# Altium PCB MatrixRE2.PcbDoc (part 1 of 3)
Units mm, origin at the board's own origin, x right, y up, seen from the top; angles counter-clockwise.
Board outline 200.1 x 201 mm, 2 copper layers (Top Layer, Bottom Layer), stack 1.55 mm thick; 298 components, 226 nets, 883 pads, 431 vias.
Unrouted connection lines stored in the file: 2.
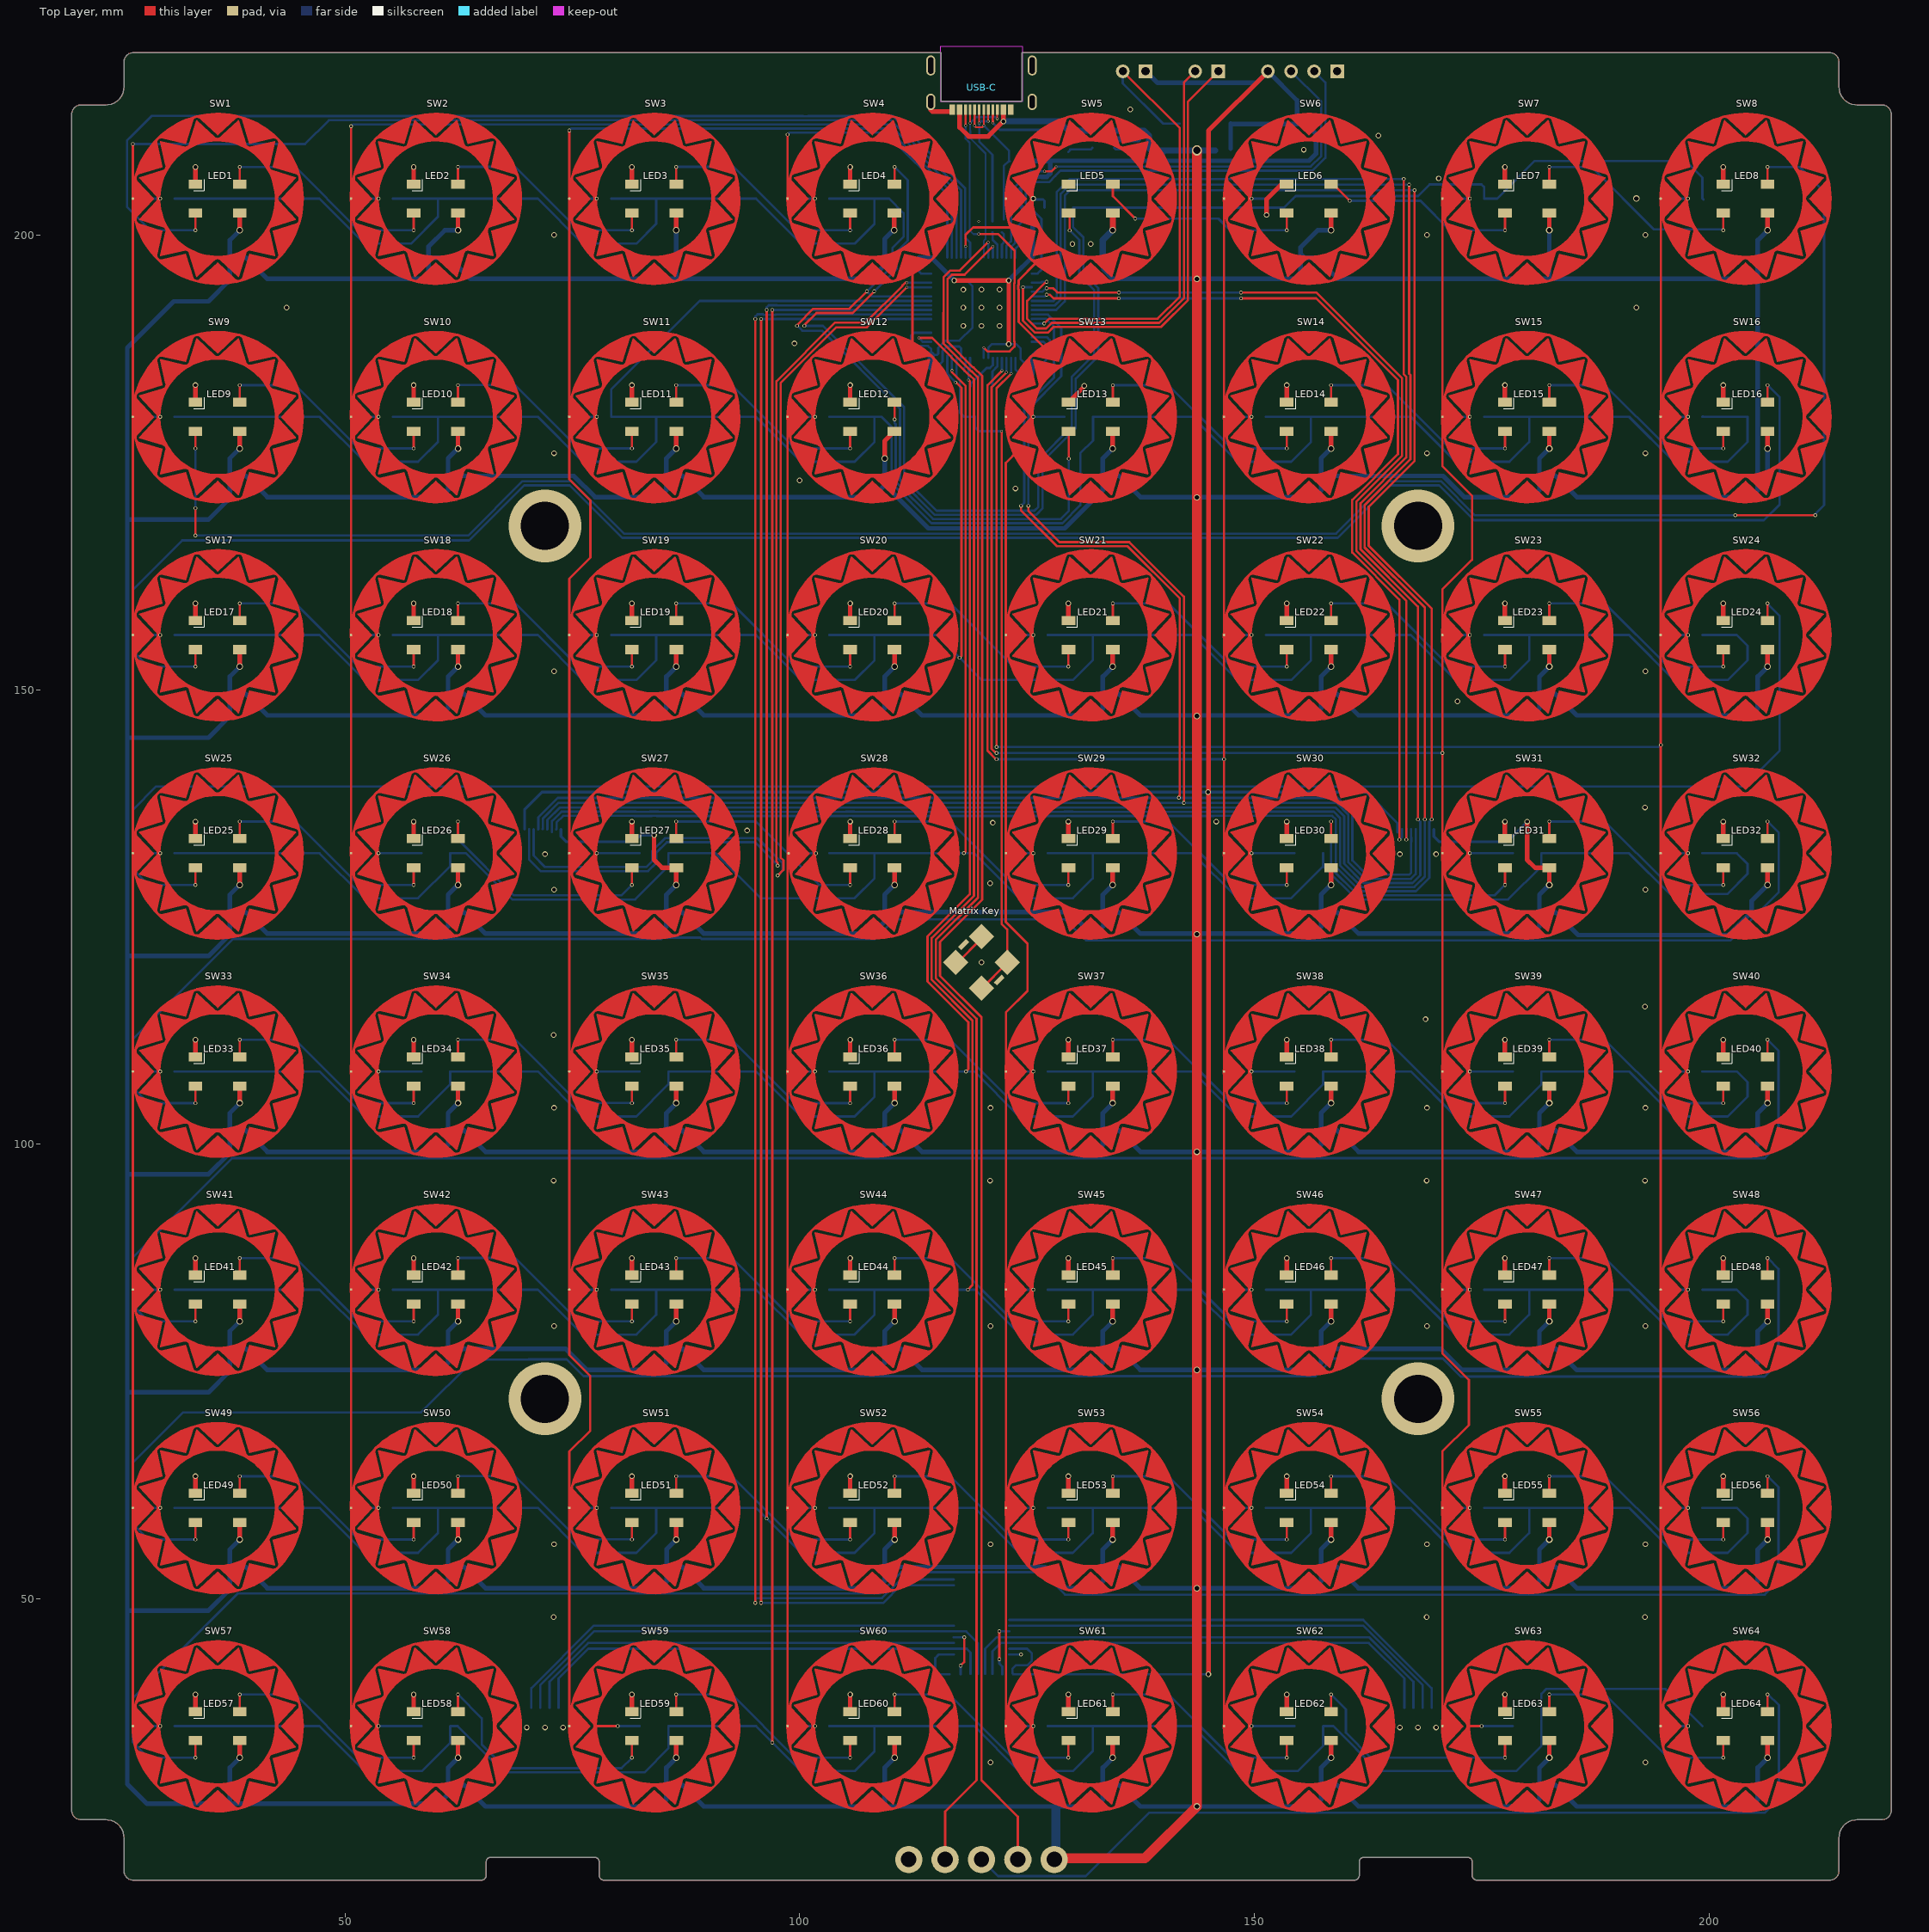
[diagram p0: Top Layer view]
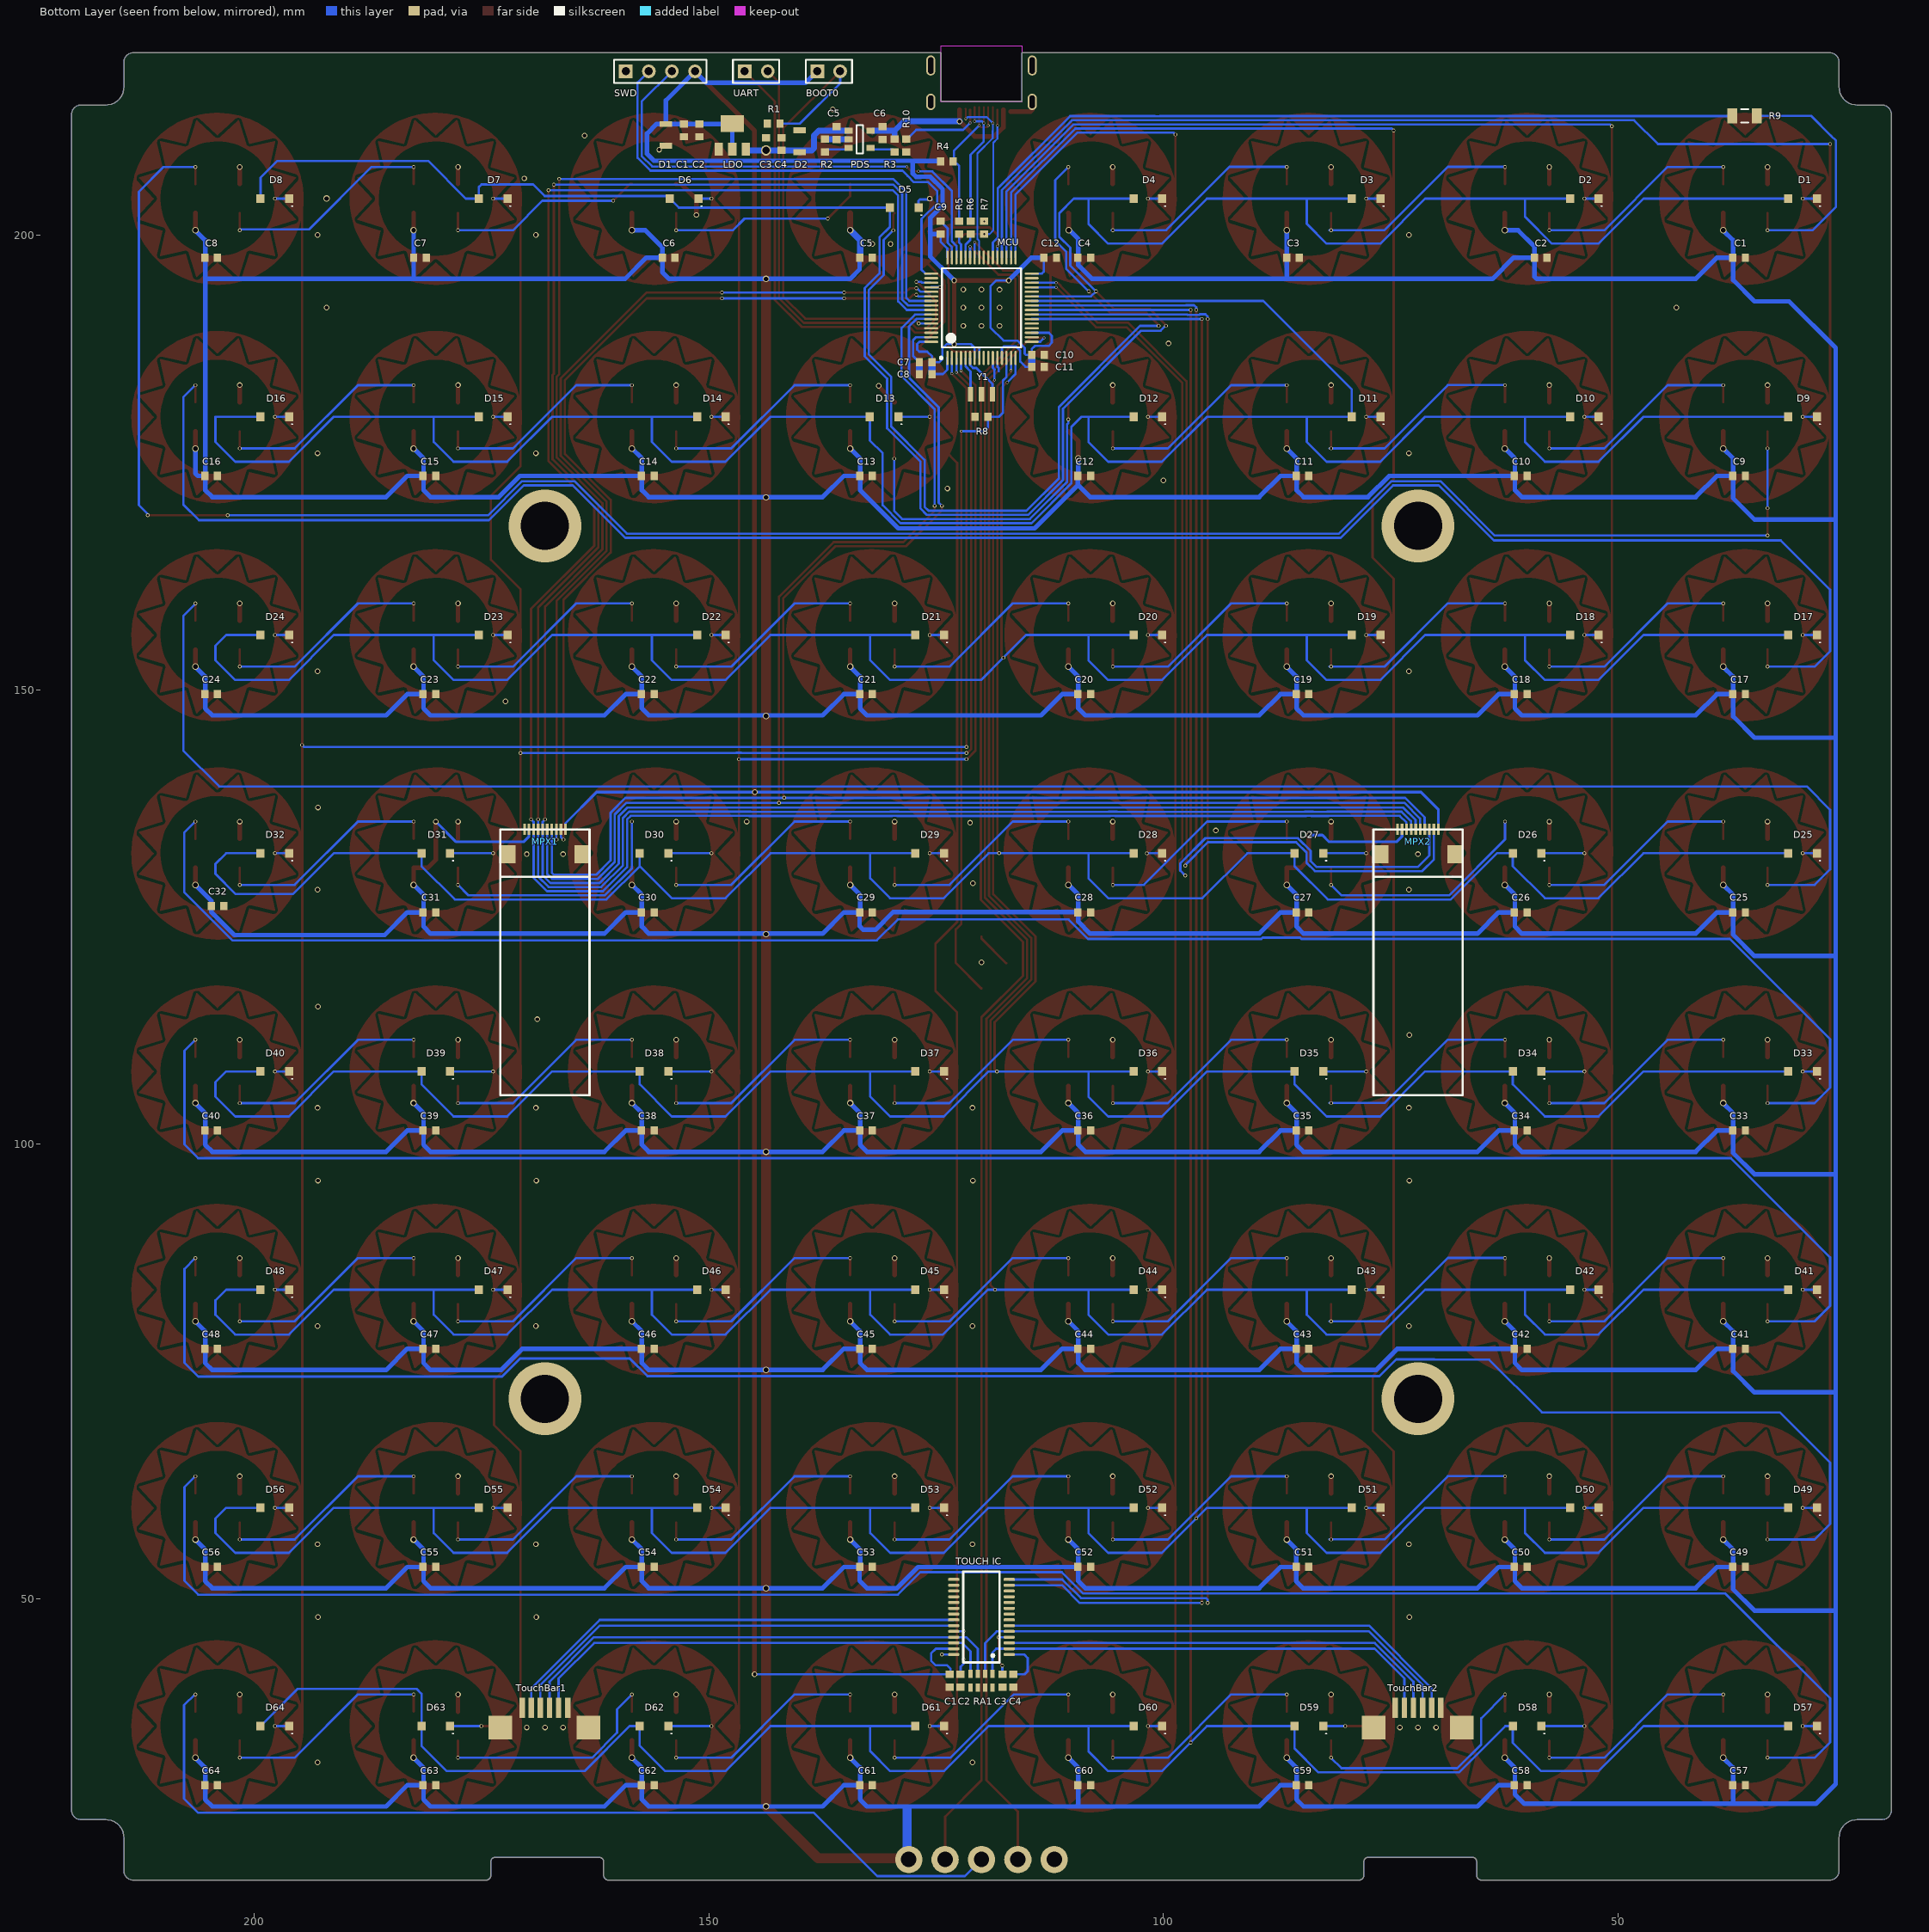
[diagram p1: Bottom Layer view, seen from below]

## Layer stack, top to bottom
Top Solder: solder mask 0.04, Solder Resist, Dk 3.5
Top Layer: signal copper 0.01
Dielectric 1: dielectric 1.5, FR-4, Dk 4.8
Bottom Layer: signal copper 0.04
Bottom Solder: solder mask 0.01, Solder Resist, Dk 3.5

## Board outline
24.316,25.615 24.669,25.469 24.987,25.257 25.257,24.987 25.469,24.669 25.615,24.316 25.69,23.94 25.7,23.749 25.7,20.002 ccw(c25.75,20.002) 25.701,19.992 25.739,19.798 ccw(c25.788,19.808) 25.742,19.789 25.817,19.607 ccw(c25.864,19.626) 25.822,19.598 cw(c25.864,19.626) 25.822,19.598 25.931,19.435 ccw(c25.973,19.463) 25.931,19.434 25.931,19.435 ccw(c25.973,19.463) 25.938,19.427 26.077,19.288 ccw(c26.113,19.323) 26.085,19.281 26.248,19.172 cw(c26.276,19.214) 26.248,19.172 ccw(c26.276,19.214) 26.257,19.167 26.439,19.092 ccw(c26.458,19.138) 26.448,19.089 26.642,19.051 ccw(c26.652,19.1) 26.652,19.05 26.75,19.05 65,19.05 ccw(c65,19.6) 65.55,19.6 65.55,21.1 cw(c66,21.1) 66,21.55 77.5,21.55 cw(c77.5,21.1) 77.95,21.1 77.95,19.6 ccw(c78.5,19.6) 78.5,19.05 ccw(c78.5,19.1) 78.501,19.05 161,19.05 ccw(c161,19.6) 161.55,19.6 161.55,21.1 cw(c162,21.1) 162,21.55 173.5,21.55 cw(c173.5,21.1) 173.95,21.1 173.95,19.6 ccw(c174.5,19.6) 174.5,19.05 213.348,19.05 ccw(c213.348,19.1) 213.358,19.051 213.552,19.089 ccw(c213.542,19.138) 213.561,19.092 213.743,19.167 ccw(c213.724,19.214) 213.752,19.172 213.915,19.281 ccw(c213.887,19.323) 213.916,19.281 213.915,19.281 ccw(c213.887,19.323) 213.923,19.288 214.062,19.427 ccw(c214.027,19.463) 214.069,19.435 214.178,19.598 ccw(c214.136,19.626) 214.178,19.598 ccw(c214.136,19.626) 214.183,19.607 214.258,19.789 ccw(c214.212,19.808) 214.261,19.798 214.299,19.992 ccw(c214.25,20.002) 214.3,20.002 214.3,23.749 214.31,23.94 214.385,24.316 214.531,24.669 214.743,24.987 215.013,25.257 215.331,25.469 215.684,25.615 216.06,25.69 216.251,25.7 219,25.7 219.098,25.7 ccw(c219.098,25.75) 219.108,25.701 219.302,25.739 ccw(c219.292,25.788) 219.311,25.742 219.493,25.817 ccw(c219.474,25.864) 219.502,25.822 219.665,25.931 ccw(c219.637,25.973) 219.666,25.931 219.665,25.931 ccw(c219.637,25.973) 219.673,25.938 219.812,26.077 ccw(c219.777,26.113) 219.819,26.085 219.928,26.248 ccw(c219.886,26.276) 219.928,26.248 ccw(c219.886,26.276) 219.933,26.257 220.008,26.439 ccw(c219.962,26.458) 220.011,26.448 220.049,26.642 ccw(c220,26.652) 220.05,26.652 220.05,213.348 ccw(c220,213.348) 220.049,213.358 220.011,213.552 ccw(c219.962,213.542) 220.008,213.561 219.933,213.743 ccw(c219.886,213.724) 219.928,213.752 cw(c219.886,213.724) 219.928,213.752 219.819,213.915 219.819,213.916 cw(c219.777,213.887) 219.819,213.915 ccw(c219.777,213.887) 219.812,213.923 219.673,214.062 ccw(c219.637,214.027) 219.665,214.069 219.502,214.178 cw(c219.474,214.136) 219.502,214.178 ccw(c219.474,214.136) 219.493,214.183 219.311,214.258 ccw(c219.292,214.212) 219.302,214.261 219.108,214.299 ccw(c219.098,214.25) 219.098,214.3 216.251,214.3 216.06,214.31 215.684,214.385 215.331,214.531 215.013,214.743 214.743,215.013 214.531,215.331 214.385,215.684 214.31,216.06 214.3,216.251 214.3,219.098 ccw(c214.25,219.098) 214.299,219.108 214.261,219.302 ccw(c214.212,219.292) 214.258,219.311 214.183,219.493 ccw(c214.136,219.474) 214.178,219.502 cw(c214.136,219.474) 214.178,219.502 214.069,219.665 ccw(c214.027,219.637) 214.069,219.666 214.069,219.665 ccw(c214.027,219.637) 214.062,219.673 213.923,219.812 ccw(c213.887,219.777) 213.915,219.819 213.916,219.819 213.915,219.819 213.752,219.928 cw(c213.724,219.886) 213.752,219.928 ccw(c213.724,219.886) 213.743,219.933 213.561,220.008 ccw(c213.542,219.962) 213.552,220.011 213.358,220.049 ccw(c213.348,220) 213.348,220.05 124.5,220.05 ccw(c124.5,220) 124.45,220 124.45,214.7 115.55,214.7 115.55,220 ccw(c115.5,220) 115.5,220.05 26.652,220.05 ccw(c26.652,220) 26.642,220.049 26.448,220.011 ccw(c26.458,219.962) 26.439,220.008 26.257,219.933 ccw(c26.276,219.886) 26.248,219.928 cw(c26.276,219.886) 26.248,219.928 26.085,219.819 ccw(c26.113,219.777) 26.084,219.819 26.085,219.819 ccw(c26.113,219.777) 26.077,219.812 25.938,219.673 ccw(c25.973,219.637) 25.931,219.665 25.931,219.666 25.931,219.665 cw(c25.973,219.637) 25.931,219.666 25.931,219.665 25.822,219.502 ccw(c25.864,219.474) 25.822,219.502 ccw(c25.864,219.474) 25.817,219.493 25.742,219.311 ccw(c25.788,219.292) 25.739,219.302 25.701,219.108 ccw(c25.75,219.098) 25.7,219.098 25.7,216.251 25.69,216.06 25.615,215.684 25.469,215.331 25.257,215.013 24.987,214.743 24.669,214.531 24.316,214.385 23.94,214.31 23.749,214.3 20.902,214.3 ccw(c20.902,214.25) 20.892,214.299 20.698,214.261 ccw(c20.708,214.212) 20.689,214.258 20.507,214.183 ccw(c20.526,214.136) 20.498,214.178 cw(c20.526,214.136) 20.498,214.178 20.335,214.069 20.334,214.069 cw(c20.363,214.027) 20.335,214.069 ccw(c20.363,214.027) 20.327,214.062 20.188,213.923 ccw(c20.223,213.887) 20.181,213.915 20.181,213.916 20.181,213.915 cw(c20.223,213.887) 20.181,213.916 20.181,213.915 20.072,213.752 cw(c20.114,213.724) 20.072,213.752 ccw(c20.114,213.724) 20.067,213.743 19.992,213.561 ccw(c20.038,213.542) 19.989,213.552 19.951,213.358 ccw(c20,213.348) 19.95,213.348 19.95,213.25 19.95,26.652 ccw(c20,26.652) 19.951,26.642 19.989,26.448 ccw(c20.038,26.458) 19.992,26.439 20.067,26.257 ccw(c20.114,26.276) 20.072,26.248 20.181,26.085 ccw(c20.223,26.113) 20.181,26.084 20.181,26.085 ccw(c20.223,26.113) 20.188,26.077 20.327,25.938 ccw(c20.363,25.973) 20.335,25.931 20.498,25.822 cw(c20.526,25.864) 20.498,25.822 ccw(c20.526,25.864) 20.507,25.817 20.689,25.742 ccw(c20.708,25.788) 20.698,25.739 20.892,25.701 ccw(c20.902,25.75) 20.902,25.7 23.749,25.7 23.94,25.69

## Design rules (kind name [scope] priority, off if disabled: settings)
Clearance [All] p1: gap=0.2 ignorepadtopadclearanceinfootprint=FALSE except(0: Arc-Hole Track-Hole SMDPad-Hole THPad-Hole Via-Hole Fill-Text Fill-Hole Poly-Text Poly-Hole Region-Text Region-Hole Text-Text Text-Hole)
ComponentClearance [All] p1 off: gap=0.254 collisioncheckmode=3 verticalgap=0.254 showdistances=FALSE
HoleSize [All] p1 off: absolutevalues=TRUE maxlimit=2.54 minlimit=0.025 maxpercent=80.000 minpercent=20.000
PolygonConnect [All] p1: connectstyle=Relief reliefconductorwidth=0.254 reliefentries=4 polygonreliefangle="90 Angle" airgapwidth=0.254
RoutingVias [All] p1: holewidth=0.711 width=1.27 viastyle="Through Hole" minholewidth=0.711 minwidth=1.27 maxholewidth=0.711 maxwidth=1.27
ShortCircuit ShortCircuit_1 [All] p1: allowed=FALSE
ShortCircuit [InPadClass('All Pads') vs InNet('No Net')] p2: allowed=TRUE
SolderMaskExpansion [All] p1: expansion=0.102
Width [All] p1: maxlimit=2.54 minlimit=0.025 preferedwidth=0.254
27 further rules are at their usual default settings.

## Classes and differential pairs
component class matrixkeypad: D1 D2 D4 D5 D6 D7 D8 D9 D10 D11 D12 D13 D14 D15 D16 D17 D18 D19 D20 D21 D22 D23 D24 D25 D26 D27 D28 D29 D30 D31 D32 D33 D34 D35 D36 D37 D38 D39 D40 D41 D42 D43 D44 D45 D46 D47 D48 D49 D50 D51 D52 D53 D54 D55 D56 D57 D58 D60 D61 D62 D64 R5 SW1 SW2 SW3 SW4 SW5 SW6 SW7 SW8 SW9 SW10 SW11 SW12 SW13 SW14 SW15 SW16 SW17 SW18 SW19 SW20 SW21 SW22 SW23 SW24 SW25 SW26 SW27 SW28 SW29 SW30 SW31 SW32 SW33 SW34 SW35 SW36 SW37 SW38 SW39 SW40 SW41 SW42 SW43 SW44 SW45 SW46 SW47 SW48 SW49 SW50 SW51 SW52 SW53 SW54 SW55 SW56 SW57 SW58 SW59 SW60 SW61 SW62 SW63 SW64
component class led: C1 c2 C2 C3 C4 C5 C6 C6_1 C7 C8 C9 C11 C12 C13 C14 C15 C16 C17 C18 C19 C20 C21 C22 C23 C24 C26 C27 C28 C29 C30 C31 C33 C35 C36 C37 C38 C39 C40 C42 C43 C44 C45 C46 C48 C49 C50 C51 C52 C53 C54 C55 C58 C59 C60 C61 C63 C64 LED1 LED2 LED3 LED4 LED5 LED6 LED7 LED8 LED9 LED10 LED11 LED12 LED13 LED14 LED15 LED16 LED17 LED18 LED19 LED20 LED21 LED22 LED23 LED24 LED25 LED26 LED27 LED28 LED29 LED30 LED31 LED32 LED33 LED34 LED35 LED36 LED37 LED38 LED39 LED40 LED41 LED42 LED43 LED44 LED45 LED46 LED47 LED48 LED49 LED50 LED51 LED52 LED53 LED54 LED55 LED56 LED57 LED58 LED59 LED60 LED61 LED62 LED63 LED64
component class MCU: C1 c2 C2 C3 C6 C7 C58 D1 "FN Switch" RET6 SWD

## Components (designator, comment, footprint, x,y, rotation, side; value= is the part's Value field where it differs from the comment)
C1 "Cap Semi" 1608[0603] 123.5,41 r90 bottom value=0.1uf (schematic designator C10)
C1 "System" 1608[0603] 152.7,211.506 r90 bottom value=10uf (schematic designator C9)
C1 "Cap Semi" 1608[0603] 36.7,197.5 r0 bottom value=0.1uf
C2 "50PF NR0" 1608[0603] 122.3,41 r90 bottom value=0.1uf (schematic designator C11)
C2 "System" 1608[0603] 151,211.506 r90 bottom value=0.1uf (schematic designator C8)
C2 "Cap Semi" 1608[0603] 58.5,197.5 r0 bottom value=0.1uf
C3 "50PF NR0" 1608[0603] 117.7,41 r90 bottom value=0.1uf (schematic designator C12)
C3 "System" 1608[0603] 143.7,210 r270 bottom value=0.1uf (schematic designator C7)
C3 "Cap Semi" 1608[0603] 85.738,197.5 r0 bottom value=0.1uf
C4 "50PF NR0" 1608[0603] 116.5,41 r90 bottom value=0.1uf (schematic designator C13)
C4 "System" 1608[0603] 142,210 r270 bottom value=10uf (schematic designator C6)
C4 "Cap Semi" 1608[0603] 108.7,197.5 r0 bottom value=0.1uf
C5 "System" 1608[0603] 135.92,211.2 r270 bottom value=10uf (schematic designator C15)
C5 "Cap Semi" 1608[0603] 132.7,197.5 r0 bottom value=0.1uf
C6 "System" 1608[0603] 130.86,211.2 r270 bottom value=10uf (schematic designator C14)
C6 "Cap Semi" 1608[0603] 154.4,197.5 r0 bottom value=0.1uf
C7 "System" 1608[0603] 126.13,186 r180 bottom value=0.1uf (schematic designator C1)
C7 "Cap Semi" 1608[0603] 181.738,197.5 r0 bottom value=0.1uf
C8 "System" 1608[0603] 126.13,184.7 r180 bottom value=0.1uf (schematic designator C2)
C8 "Cap Semi" 1608[0603] 204.7,197.5 r0 bottom value=0.1uf
C9 "System" 1608[0603] 124.5,200.8 r270 bottom value=0.1uf (schematic designator C3)
C9 "Cap Semi" 1608[0603] 36.7,173.5 r0 bottom value=0.1uf (schematic designator C16)
C10 "System" 1608[0603] 113.775,186.8 r0 bottom value=0.1uf (schematic designator C4)
C10 "Cap Semi" 1608[0603] 60.7,173.5 r0 bottom value=0.1uf (schematic designator C15)
C11 "System" 1608[0603] 113.775,185.5 r0 bottom value=0.1uf (schematic designator C5)
C11 "Cap Semi" 1608[0603] 84.7,173.5 r0 bottom value=0.1uf (schematic designator C14)
C12 "System" 1608[0603] 112.45,197.5 r0 bottom value=0.1uf (schematic designator C16)
C12 "Cap Semi" 1608[0603] 108.7,173.5 r0 bottom value=0.1uf (schematic designator C13)
C13 "Cap Semi" 1608[0603] 132.7,173.5 r0 bottom value=0.1uf (schematic designator C12)
C14 "Cap Semi" 1608[0603] 156.7,173.5 r0 bottom value=0.1uf (schematic designator C11)
C15 "Cap Semi" 1608[0603] 180.7,173.5 r0 bottom value=0.1uf (schematic designator C10)
C16 "Cap Semi" 1608[0603] 204.7,173.5 r0 bottom value=0.1uf (schematic designator C9)
C17 "Cap Semi" 1608[0603] 36.7,149.5 r0 bottom value=0.1uf (schematic designator C24)
C18 "Cap Semi" 1608[0603] 60.7,149.5 r0 bottom value=0.1uf (schematic designator C23)
C19 "Cap Semi" 1608[0603] 84.7,149.5 r0 bottom value=0.1uf (schematic designator C22)
C20 "Cap Semi" 1608[0603] 108.7,149.5 r0 bottom value=0.1uf (schematic designator C21)
C21 "Cap Semi" 1608[0603] 132.7,149.5 r0 bottom value=0.1uf (schematic designator C20)
C22 "Cap Semi" 1608[0603] 156.7,149.5 r0 bottom value=0.1uf (schematic designator C19)
C23 "Cap Semi" 1608[0603] 180.7,149.5 r0 bottom value=0.1uf (schematic designator C18)
C24 "Cap Semi" 1608[0603] 204.7,149.5 r0 bottom value=0.1uf (schematic designator C17)
C25 "Cap Semi" 1608[0603] 36.7,125.5 r0 bottom value=0.1uf (schematic designator C32)
C26 "Cap Semi" 1608[0603] 60.7,125.5 r0 bottom value=0.1uf (schematic designator C31)
C27 "Cap Semi" 1608[0603] 84.7,125.5 r0 bottom value=0.1uf (schematic designator C30)
C28 "Cap Semi" 1608[0603] 108.7,125.5 r0 bottom value=0.1uf (schematic designator C29)
C29 "Cap Semi" 1608[0603] 132.7,125.5 r0 bottom value=0.1uf (schematic designator C28)
C30 "Cap Semi" 1608[0603] 156.7,125.5 r0 bottom value=0.1uf (schematic designator C27)
C31 "Cap Semi" 1608[0603] 180.7,125.5 r0 bottom value=0.1uf (schematic designator C26)
C32 "Cap Semi" 1608[0603] 204,126.2 r0 bottom value=0.1uf (schematic designator C25)
C33 "Cap Semi" 1608[0603] 36.7,101.5 r0 bottom value=0.1uf (schematic designator C40)
C34 "Cap Semi" 1608[0603] 60.7,101.5 r0 bottom value=0.1uf (schematic designator C39)
C35 "Cap Semi" 1608[0603] 84.7,101.5 r0 bottom value=0.1uf (schematic designator C38)
C36 "Cap Semi" 1608[0603] 108.7,101.5 r0 bottom value=0.1uf (schematic designator C37)
C37 "Cap Semi" 1608[0603] 132.7,101.5 r0 bottom value=0.1uf (schematic designator C36)
C38 "Cap Semi" 1608[0603] 156.7,101.5 r0 bottom value=0.1uf (schematic designator C35)
C39 "Cap Semi" 1608[0603] 180.7,101.5 r0 bottom value=0.1uf (schematic designator C34)
C40 "Cap Semi" 1608[0603] 204.7,101.5 r0 bottom value=0.1uf (schematic designator C33)
C41 "Cap Semi" 1608[0603] 36.7,77.5 r0 bottom value=0.1uf (schematic designator C48)
C42 "Cap Semi" 1608[0603] 60.7,77.5 r0 bottom value=0.1uf (schematic designator C47)
C43 "Cap Semi" 1608[0603] 84.7,77.5 r0 bottom value=0.1uf (schematic designator C46)
C44 "Cap Semi" 1608[0603] 108.7,77.5 r0 bottom value=0.1uf (schematic designator C45)
C45 "Cap Semi" 1608[0603] 132.7,77.5 r0 bottom value=0.1uf (schematic designator C44)
C46 "Cap Semi" 1608[0603] 156.7,77.5 r0 bottom value=0.1uf (schematic designator C43)
C47 "Cap Semi" 1608[0603] 180.7,77.5 r0 bottom value=0.1uf (schematic designator C42)
C48 "Cap Semi" 1608[0603] 204.7,77.5 r0 bottom value=0.1uf (schematic designator C41)
C49 "Cap Semi" 1608[0603] 36.7,53.5 r0 bottom value=0.1uf (schematic designator C56)
C50 "Cap Semi" 1608[0603] 60.7,53.5 r0 bottom value=0.1uf (schematic designator C55)
C51 "Cap Semi" 1608[0603] 84.7,53.5 r0 bottom value=0.1uf (schematic designator C54)
C52 "Cap Semi" 1608[0603] 108.7,53.5 r0 bottom value=0.1uf (schematic designator C53)
C53 "Cap Semi" 1608[0603] 132.7,53.5 r0 bottom value=0.1uf (schematic designator C52)
C54 "Cap Semi" 1608[0603] 156.7,53.5 r0 bottom value=0.1uf (schematic designator C51)
C55 "Cap Semi" 1608[0603] 180.7,53.5 r0 bottom value=0.1uf (schematic designator C50)
C56 "Cap Semi" 1608[0603] 204.7,53.5 r0 bottom value=0.1uf (schematic designator C49)
C57 "Cap Semi" 1608[0603] 36.7,29.5 r0 bottom value=0.1uf (schematic designator C64)
C58 "Cap Semi" 1608[0603] 60.7,29.5 r0 bottom value=0.1uf (schematic designator C63)
C59 "Cap Semi" 1608[0603] 84.7,29.5 r0 bottom value=0.1uf (schematic designator C62)
C60 "Cap Semi" 1608[0603] 108.7,29.5 r0 bottom value=0.1uf (schematic designator C61)
C61 "Cap Semi" 1608[0603] 132.7,29.5 r0 bottom value=0.1uf (schematic designator C60)
C62 "Cap Semi" 1608[0603] 156.7,29.5 r0 bottom value=0.1uf (schematic designator C59)
C63 "Cap Semi" 1608[0603] 180.7,29.5 r0 bottom value=0.1uf (schematic designator C58)
C64 "Cap Semi" 1608[0603] 204.7,29.5 r0 bottom value=0.1uf (schematic designator C57)
D1 "CESD3V3D3" SOD323 154.7,211.006 r90 bottom (schematic designator D2)
D1 "1N4148" SOD123 29.7,204 r0 bottom
D2 "CESD5V0D3" SOD323 140,210.32 r270 bottom (schematic designator D1)
D2 "1N4148" SOD123 53.7,204 r0 bottom
D3 "1N4148" SOD123 77.7,204 r0 bottom
D4 "1N4148" SOD123 101.7,204 r0 bottom
D5 "1N4148" SOD123 128.5,203 r0 bottom
D6 "1N4148" SOD123 152.7,204 r0 bottom
D7 "1N4148" SOD123 173.7,204 r0 bottom
D8 "1N4148" SOD123 197.7,204 r0 bottom
D9 "1N4148" SOD123 29.7,180 r0 bottom
D10 "1N4148" SOD123 53.7,180 r0 bottom
D11 "1N4148" SOD123 77.7,180 r0 bottom
D12 "1N4148" SOD123 101.7,180 r0 bottom
D13 "1N4148" SOD123 130.7,180 r0 bottom
D14 "1N4148" SOD123 149.7,180 r0 bottom
D15 "1N4148" SOD123 173.7,180 r0 bottom
D16 "1N4148" SOD123 197.7,180 r0 bottom
D17 "1N4148" SOD123 29.7,156 r0 bottom
D18 "1N4148" SOD123 53.7,156 r0 bottom
D19 "1N4148" SOD123 77.7,156 r0 bottom
D20 "1N4148" SOD123 101.7,156 r0 bottom
D21 "1N4148" SOD123 125.7,156 r0 bottom
D22 "1N4148" SOD123 149.7,156 r0 bottom